# EAGLE board Mk4 Final Panel 8up 4x2 (EAGLE 9.0.1), part 18 of 23 (continued)
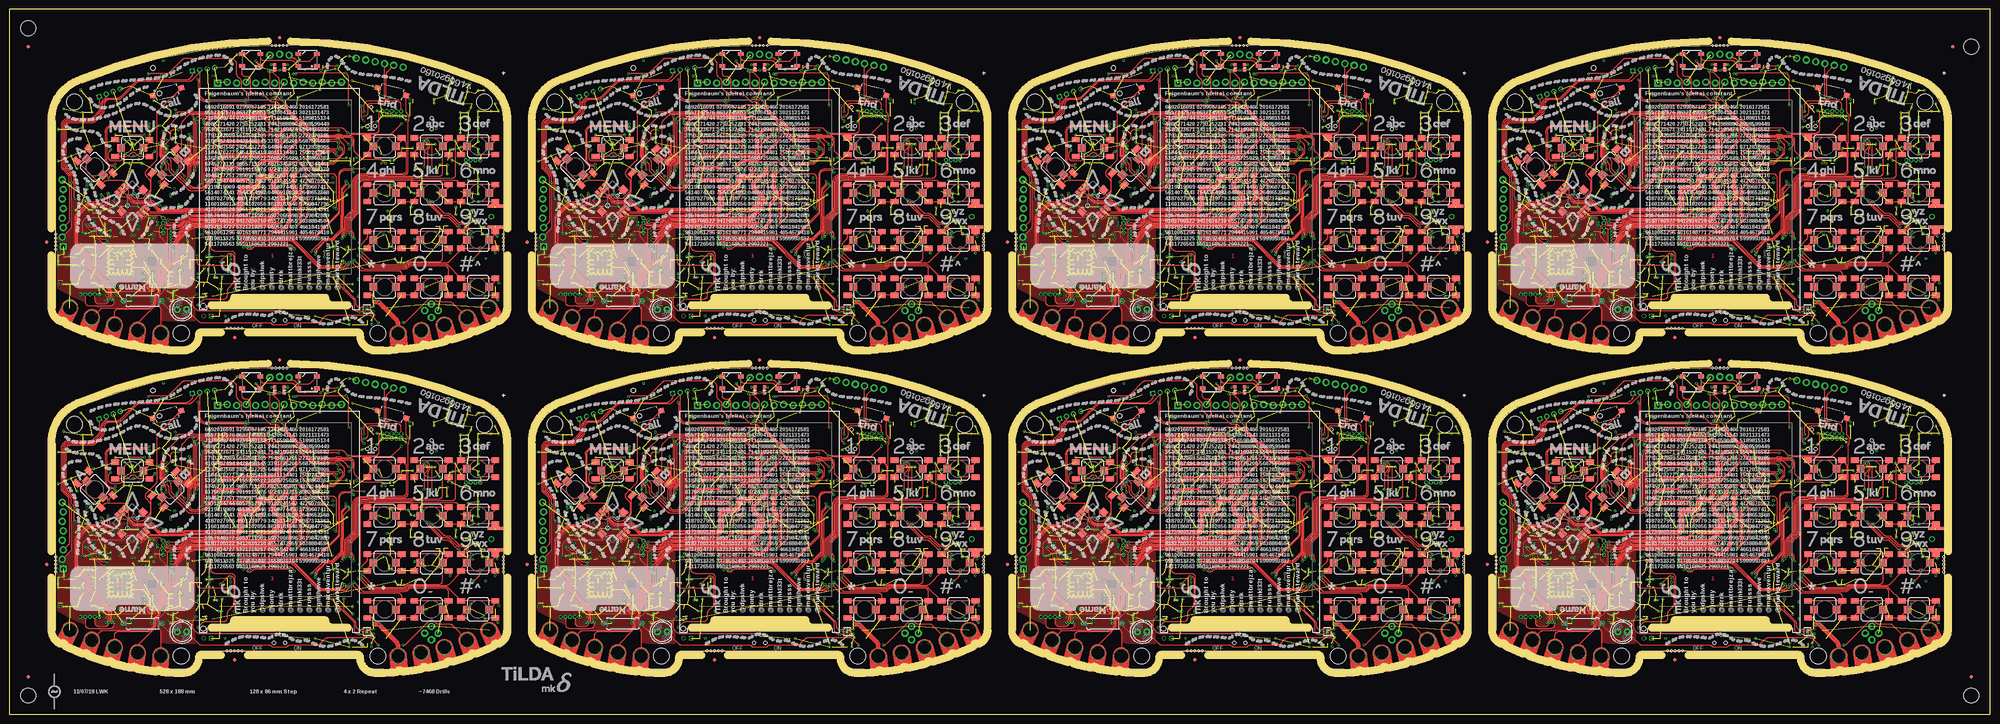
[diagram p0: board, top side]
## Tracks (layer width: path | path; a pad name or v marks a point on that pad's centre or on a via) (continued)
SIM_DTR
  Bottom 0.2: R31.1 100.25,53.25 TP2.TP
SIM_DTR1
  Bottom 0.2: R113.1 228.25,53.25 TP21.TP
SIM_DTR2
  Bottom 0.2: R191.1 100.25,139.25 TP40.TP
SIM_DTR3
  Bottom 0.2: R269.1 228.25,139.25 TP59.TP
SIM_DTR4
  Bottom 0.2: R347.1 356.25,53.25 TP78.TP
SIM_DTR5
  Bottom 0.2: R425.1 484.25,53.25 TP97.TP
SIM_DTR6
  Bottom 0.2: R503.1 356.25,139.25 TP116.TP
SIM_DTR7
  Bottom 0.2: R581.1 484.25,139.25 TP135.TP
SIM_DTR_R
  Bottom 0.15: R31.2 R40.1 102.7,52.45 IC5.6
SIM_DTR_R1
  Bottom 0.15: R113.2 R122.1 230.7,52.45 IC21.6
SIM_DTR_R2
  Bottom 0.15: R191.2 R200.1 102.7,138.45 IC39.6
SIM_DTR_R3
  Bottom 0.15: R269.2 R278.1 230.7,138.45 IC57.6
SIM_DTR_R4
  Bottom 0.15: R347.2 R356.1 358.7,52.45 IC75.6
SIM_DTR_R5
  Bottom 0.15: R425.2 R434.1 486.7,52.45 IC93.6
SIM_DTR_R6
  Bottom 0.15: R503.2 R512.1 358.7,138.45 IC111.6
SIM_DTR_R7
  Bottom 0.15: R581.2 R590.1 486.7,138.45 IC129.6
SIM_NETLIGHT
  Bottom 0.15: IC1.108 80.56,66.8 arc45 80.8,66.9 81.22,66.9 81.32,67 83.67,67 arc-90 86.17,64.5 86.17,62.62 arc45 86.32,62.27 86.48,62.11 arc-45 86.62,61.76 86.62,61.5 arc45 86.92,60.79 95.91,51.8 arc-45 96.2,51.09 96.2,43.75 arc90 97.2,42.75 TP12.TP 99,43.25 R42.1
SIM_NETLIGHT1
  Bottom 0.15: IC20.108 208.56,66.8 arc45 208.8,66.9 209.22,66.9 209.32,67 211.68,67 arc-90 214.18,64.5 214.18,62.62 arc45 214.32,62.27 214.48,62.11 arc-45 214.62,61.76 214.62,61.5 arc45 214.92,60.79 223.91,51.8 arc-45 224.2,51.09 224.2,43.75 arc90 225.2,42.75 TP31.TP 227,43.25 R124.1
SIM_NETLIGHT2
  Bottom 0.15: IC38.108 80.56,152.8 arc45 80.8,152.9 81.22,152.9 81.32,153 83.67,153 arc-90 86.17,150.5 86.17,148.62 arc45 86.32,148.27 86.48,148.11 arc-45 86.62,147.76 86.62,147.5 arc45 86.92,146.79 95.91,137.8 arc-45 96.2,137.09 96.2,129.75 arc90 97.2,128.75 TP50.TP 99,129.25 R202.1
SIM_NETLIGHT3
  Bottom 0.15: IC56.108 208.56,152.8 arc45 208.8,152.9 209.22,152.9 209.32,153 211.68,153 arc-90 214.18,150.5 214.18,148.62 arc45 214.32,148.27 214.48,148.11 arc-45 214.62,147.76 214.62,147.5 arc45 214.92,146.79 223.91,137.8 arc-45 224.2,137.09 224.2,129.75 arc90 225.2,128.75 TP69.TP 227,129.25 R280.1
SIM_NETLIGHT4
  Bottom 0.15: IC74.108 336.56,66.8 arc45 336.8,66.9 337.22,66.9 337.32,67 339.68,67 arc-90 342.18,64.5 342.18,62.62 arc45 342.32,62.27 342.48,62.11 arc-45 342.62,61.76 342.62,61.5 arc45 342.92,60.79 351.91,51.8 arc-45 352.2,51.09 352.2,43.75 arc90 353.2,42.75 TP88.TP 355,43.25 R358.1
SIM_NETLIGHT5
  Bottom 0.15: IC92.108 464.56,66.8 arc45 464.8,66.9 465.22,66.9 465.32,67 467.68,67 arc-90 470.18,64.5 470.18,62.62 arc45 470.32,62.27 470.48,62.11 arc-45 470.62,61.76 470.62,61.5 arc45 470.92,60.79 479.91,51.8 arc-45 480.2,51.09 480.2,43.75 arc90 481.2,42.75 TP107.TP 483,43.25 R436.1
SIM_NETLIGHT6
  Bottom 0.15: IC110.108 336.56,152.8 arc45 336.8,152.9 337.22,152.9 337.32,153 339.68,153 arc-90 342.18,150.5 342.18,148.62 arc45 342.32,148.27 342.48,148.11 arc-45 342.62,147.76 342.62,147.5 arc45 342.92,146.79 351.91,137.8 arc-45 352.2,137.09 352.2,129.75 arc90 353.2,128.75 TP126.TP 355,129.25 R514.1
SIM_NETLIGHT7
  Bottom 0.15: IC128.108 464.56,152.8 arc45 464.8,152.9 465.22,152.9 465.32,153 467.68,153 arc-90 470.18,150.5 470.18,148.62 arc45 470.32,148.27 470.48,148.11 arc-45 470.62,147.76 470.62,147.5 arc45 470.92,146.79 479.91,137.8 arc-45 480.2,137.09 480.2,129.75 arc90 481.2,128.75 TP145.TP 483,129.25 R592.1
SIM_PWR_KEY
  Bottom 0.15: Q1.1 101.42,41 R30.1 TP13.TP 96.9,41 arc-90 95.9,42 95.9,50.97 arc45 95.61,51.68 86.62,60.67 arc-45 86.33,61.38 86.33,61.63 arc45 86.18,61.99 86.02,62.15 arc-45 85.88,62.5 85.88,64.45 arc90 83.62,66.7 81.45,66.7 81.38,66.63 arc-45 81.31,66.6 81.04,66.6 arc45 80.97,66.57 80.83,66.43 arc-45 80.76,66.4 IC1.109
SIM_PWR_KEY1
  Bottom 0.15: Q6.1 229.43,41 R112.1 TP32.TP 224.9,41 arc-90 223.9,42 223.9,50.97 arc45 223.61,51.68 214.62,60.67 arc-45 214.32,61.38 214.32,61.63 arc45 214.18,61.99 214.02,62.15 arc-45 213.88,62.5 213.88,64.45 arc90 211.62,66.7 209.45,66.7 209.38,66.63 arc-45 209.31,66.6 209.04,66.6 arc45 208.97,66.57 208.83,66.43 arc-45 208.76,66.4 IC20.109
SIM_PWR_KEY2
  Bottom 0.15: Q11.1 101.42,127 R190.1 TP51.TP 96.9,127 arc-90 95.9,128 95.9,136.97 arc45 95.61,137.68 86.62,146.67 arc-45 86.33,147.38 86.33,147.63 arc45 86.18,147.99 86.02,148.15 arc-45 85.88,148.5 85.88,150.45 arc90 83.62,152.7 81.45,152.7 81.38,152.63 arc-45 81.31,152.6 81.04,152.6 arc45 80.97,152.57 80.83,152.43 arc-45 80.76,152.4 IC38.109
SIM_PWR_KEY3
  Bottom 0.15: Q15.1 229.43,127 R268.1 TP70.TP 224.9,127 arc-90 223.9,128 223.9,136.97 arc45 223.61,137.68 214.62,146.67 arc-45 214.32,147.38 214.32,147.63 arc45 214.18,147.99 214.02,148.15 arc-45 213.88,148.5 213.88,150.45 arc90 211.62,152.7 209.45,152.7 209.38,152.63 arc-45 209.31,152.6 209.04,152.6 arc45 208.97,152.57 208.83,152.43 arc-45 208.76,152.4 IC56.109
SIM_PWR_KEY4
  Bottom 0.15: Q19.1 357.43,41 R346.1 TP89.TP 352.9,41 arc-90 351.9,42 351.9,50.97 arc45 351.61,51.68 342.62,60.67 arc-45 342.32,61.38 342.32,61.63 arc45 342.18,61.99 342.02,62.15 arc-45 341.88,62.5 341.88,64.45 arc90 339.62,66.7 337.45,66.7 337.38,66.63 arc-45 337.31,66.6 337.04,66.6 arc45 336.97,66.57 336.83,66.43 arc-45 336.76,66.4 IC74.109
SIM_PWR_KEY5
  Bottom 0.15: Q23.1 485.43,41 R424.1 TP108.TP 480.9,41 arc-90 479.9,42 479.9,50.97 arc45 479.61,51.68 470.62,60.67 arc-45 470.32,61.38 470.32,61.63 arc45 470.18,61.99 470.02,62.15 arc-45 469.88,62.5 469.88,64.45 arc90 467.62,66.7 465.45,66.7 465.38,66.63 arc-45 465.31,66.6 465.04,66.6 arc45 464.97,66.57 464.83,66.43 arc-45 464.76,66.4 IC92.109
SIM_PWR_KEY6
  Bottom 0.15: Q27.1 357.43,127 R502.1 TP127.TP 352.9,127 arc-90 351.9,128 351.9,136.97 arc45 351.61,137.68 342.62,146.67 arc-45 342.32,147.38 342.32,147.63 arc45 342.18,147.99 342.02,148.15 arc-45 341.88,148.5 341.88,150.45 arc90 339.62,152.7 337.45,152.7 337.38,152.63 arc-45 337.31,152.6 337.04,152.6 arc45 336.97,152.57 336.83,152.43 arc-45 336.76,152.4 IC110.109
SIM_PWR_KEY7
  Bottom 0.15: Q31.1 485.43,127 R580.1 TP146.TP 480.9,127 arc-90 479.9,128 479.9,136.97 arc45 479.61,137.68 470.62,146.67 arc-45 470.32,147.38 470.32,147.63 arc45 470.18,147.99 470.02,148.15 arc-45 469.88,148.5 469.88,150.45 arc90 467.62,152.7 465.45,152.7 465.38,152.63 arc-45 465.31,152.6 465.04,152.6 arc45 464.97,152.57 464.83,152.43 arc-45 464.76,152.4 IC128.109
SIM_RI  (via drill 0.3)
  Top 0.15: v78.4,64.8 78.81,64.39 arc45 79.51,64.1 82.77,64.1 arc45 83.16,64.26 arc-45 84.22,64.7 87.86,64.7 arc-45 v88.1,64.6
  Bottom 0.15: 100.72,54.5 100.97,54.25 R32.1 101,54.25 TP10.TP 94.16,55.25 88.39,61.01 arc-45 88.1,61.72 v88.1,64.6 | IC1.112 79.21,65.2 arc45 78.51,64.91 v78.4,64.8
SIM_RI1  (via drill 0.3)
  Top 0.15: v206.4,64.8 206.81,64.39 arc45 207.51,64.1 210.77,64.1 arc45 211.16,64.26 arc-45 212.22,64.7 215.86,64.7 arc-45 v216.1,64.6
  Bottom 0.15: 228.72,54.5 228.97,54.25 R115.1 229,54.25 TP29.TP 222.16,55.25 216.39,61.01 arc-45 216.1,61.72 v216.1,64.6 | IC20.112 207.21,65.2 arc45 206.51,64.91 v206.4,64.8
SIM_RI2  (via drill 0.3)
  Top 0.15: v78.4,150.8 78.81,150.39 arc45 79.51,150.1 82.77,150.1 arc45 83.16,150.26 arc-45 84.22,150.7 87.86,150.7 arc-45 v88.1,150.6
  Bottom 0.15: 100.72,140.5 100.97,140.25 R193.1 101,140.25 TP48.TP 94.16,141.25 88.39,147.01 arc-45 88.1,147.72 v88.1,150.6 | IC38.112 79.21,151.2 arc45 78.51,150.91 v78.4,150.8
SIM_RI3  (via drill 0.3)
  Top 0.15: v206.4,150.8 206.81,150.39 arc45 207.51,150.1 210.77,150.1 arc45 211.16,150.26 arc-45 212.22,150.7 215.86,150.7 arc-45 v216.1,150.6
  Bottom 0.15: 228.72,140.5 228.97,140.25 R271.1 229,140.25 TP67.TP 222.16,141.25 216.39,147.01 arc-45 216.1,147.72 v216.1,150.6 | IC56.112 207.21,151.2 arc45 206.51,150.91 v206.4,150.8
SIM_RI4  (via drill 0.3)
  Top 0.15: v334.4,64.8 334.81,64.39 arc45 335.51,64.1 338.77,64.1 arc45 339.16,64.26 arc-45 340.22,64.7 343.86,64.7 arc-45 v344.1,64.6
  Bottom 0.15: 356.72,54.5 356.97,54.25 R349.1 357,54.25 TP86.TP 350.16,55.25 344.39,61.01 arc-45 344.1,61.72 v344.1,64.6 | IC74.112 335.21,65.2 arc45 334.51,64.91 v334.4,64.8
SIM_RI5  (via drill 0.3)
  Top 0.15: v462.4,64.8 462.81,64.39 arc45 463.51,64.1 466.77,64.1 arc45 467.16,64.26 arc-45 468.22,64.7 471.86,64.7 arc-45 v472.1,64.6
  Bottom 0.15: 484.72,54.5 484.97,54.25 R427.1 485,54.25 TP105.TP 478.16,55.25 472.39,61.01 arc-45 472.1,61.72 v472.1,64.6 | IC92.112 463.21,65.2 arc45 462.51,64.91 v462.4,64.8
SIM_RI6  (via drill 0.3)
  Top 0.15: v334.4,150.8 334.81,150.39 arc45 335.51,150.1 338.77,150.1 arc45 339.16,150.26 arc-45 340.22,150.7 343.86,150.7 arc-45 v344.1,150.6
  Bottom 0.15: 356.72,140.5 356.97,140.25 R505.1 357,140.25 TP124.TP 350.16,141.25 344.39,147.01 arc-45 344.1,147.72 v344.1,150.6 | IC110.112 335.21,151.2 arc45 334.51,150.91 v334.4,150.8
SIM_RI7  (via drill 0.3)
  Top 0.15: v462.4,150.8 462.81,150.39 arc45 463.51,150.1 466.77,150.1 arc45 467.16,150.26 arc-45 468.22,150.7 471.86,150.7 arc-45 v472.1,150.6
  Bottom 0.15: 484.72,140.5 484.97,140.25 R583.1 485,140.25 TP143.TP 478.16,141.25 472.39,147.01 arc-45 472.1,147.72 v472.1,150.6 | IC128.112 463.21,151.2 arc45 462.51,150.91 v462.4,150.8
SIM_RI_R
  Bottom 0.15: IC5.7 103.2,53.55 R32.2
SIM_RI_R1
  Bottom 0.15: IC21.7 231.2,53.55 R115.2
SIM_RI_R2
  Bottom 0.15: IC39.7 103.2,139.55 R193.2
SIM_RI_R3
  Bottom 0.15: IC57.7 231.2,139.55 R271.2
SIM_RI_R4
  Bottom 0.15: IC75.7 359.2,53.55 R349.2
SIM_RI_R5
  Bottom 0.15: IC93.7 487.2,53.55 R427.2
SIM_RI_R6
  Bottom 0.15: IC111.7 359.2,139.55 R505.2
SIM_RI_R7
  Bottom 0.15: IC129.7 487.2,139.55 R583.2
SIM_RST  (via drill 0.3)
  Top 0.2: v111.25,51.25 111.25,51.06 arc45 111.47,50.53 115.21,46.79 arc45 115.91,46.5 116.59,46.5 arc-45 117.29,46.21 119.22,44.28 arc45 v119.9,44 | v112.5,66 v112.5,60
  Bottom 0.2: J1.C2 128,32.98 127.98,33 125.41,33 arc-45 124.71,33.29 arc-45 124.5,33.79 124.5,35.59 arc45 124.21,36.29 124.04,36.46 arc-45 123.75,37.16 123.75,38.25 arc90 123.25,38.75 122.96,38.75 arc-45 122.6,38.9 120.11,41.39 arc-45 119.9,41.9 | v111.25,51.25 111.25,51.94 arc-45 111.47,52.47 111.53,52.53 arc45 111.75,53.06 111.75,58.84 arc-45 112.04,59.54 v112.5,60 | R28.2 v112.5,66 | 119.9,41.9 v119.9,44 | IC10.4 119.9,41.9
SIM_RST1  (via drill 0.3)
  Top 0.2: v239.25,51.25 239.25,51.06 arc45 239.47,50.53 243.21,46.79 arc45 243.91,46.5 244.59,46.5 arc-45 245.29,46.21 247.22,44.28 arc45 v247.9,44 | v240.5,66 v240.5,60
  Bottom 0.2: J14.C2 256,32.98 255.98,33 253.41,33 arc-45 252.71,33.29 arc-45 252.5,33.79 252.5,35.59 arc45 252.21,36.29 252.04,36.46 arc-45 251.75,37.16 251.75,38.25 arc90 251.25,38.75 250.96,38.75 arc-45 250.6,38.9 248.11,41.39 arc-45 247.9,41.9 | v239.25,51.25 239.25,51.94 arc-45 239.47,52.47 239.53,52.53 arc45 239.75,53.06 239.75,58.84 arc-45 240.04,59.54 v240.5,60 | R110.2 v240.5,66 | 247.9,41.9 v247.9,44 | IC25.4 247.9,41.9
SIM_RST2  (via drill 0.3)
  Top 0.2: v111.25,137.25 111.25,137.06 arc45 111.47,136.53 115.21,132.79 arc45 115.91,132.5 116.59,132.5 arc-45 117.29,132.21 119.22,130.28 arc45 v119.9,130 | v112.5,152 v112.5,146
  Bottom 0.2: J24.C2 128,118.98 127.98,119 125.41,119 arc-45 124.71,119.29 arc-45 124.5,119.79 124.5,121.59 arc45 124.21,122.29 124.04,122.46 arc-45 123.75,123.16 123.75,124.25 arc90 123.25,124.75 122.96,124.75 arc-45 122.6,124.9 120.11,127.39 arc-45 119.9,127.9 | v111.25,137.25 111.25,137.94 arc-45 111.47,138.47 111.53,138.53 arc45 111.75,139.06 111.75,144.84 arc-45 112.04,145.54 v112.5,146 | R188.2 v112.5,152 | 119.9,127.9 v119.9,130 | IC43.4 119.9,127.9
SIM_RST3  (via drill 0.3)
  Top 0.2: v239.25,137.25 239.25,137.06 arc45 239.47,136.53 243.21,132.79 arc45 243.91,132.5 244.59,132.5 arc-45 245.29,132.21 247.22,130.28 arc45 v247.9,130 | v240.5,152 v240.5,146
  Bottom 0.2: J34.C2 256,118.98 255.98,119 253.41,119 arc-45 252.71,119.29 arc-45 252.5,119.79 252.5,121.59 arc45 252.21,122.29 252.04,122.46 arc-45 251.75,123.16 251.75,124.25 arc90 251.25,124.75 250.96,124.75 arc-45 250.6,124.9 248.11,127.39 arc-45 247.9,127.9 | v239.25,137.25 239.25,137.94 arc-45 239.47,138.47 239.53,138.53 arc45 239.75,139.06 239.75,144.84 arc-45 240.04,145.54 v240.5,146 | R266.2 v240.5,152 | 247.9,127.9 v247.9,130 | IC61.4 247.9,127.9
SIM_RST4  (via drill 0.3)
  Top 0.2: v367.25,51.25 367.25,51.06 arc45 367.47,50.53 371.21,46.79 arc45 371.91,46.5 372.59,46.5 arc-45 373.29,46.21 375.22,44.28 arc45 v375.9,44 | v368.5,66 v368.5,60
  Bottom 0.2: J44.C2 384,32.98 383.98,33 381.41,33 arc-45 380.71,33.29 arc-45 380.5,33.79 380.5,35.59 arc45 380.21,36.29 380.04,36.46 arc-45 379.75,37.16 379.75,38.25 arc90 379.25,38.75 378.96,38.75 arc-45 378.6,38.9 376.11,41.39 arc-45 375.9,41.9 | v367.25,51.25 367.25,51.94 arc-45 367.47,52.47 367.53,52.53 arc45 367.75,53.06 367.75,58.84 arc-45 368.04,59.54 v368.5,60 | R344.2 v368.5,66 | 375.9,41.9 v375.9,44 | IC79.4 375.9,41.9
SIM_RST5  (via drill 0.3)
  Top 0.2: v495.25,51.25 495.25,51.06 arc45 495.47,50.53 499.21,46.79 arc45 499.91,46.5 500.59,46.5 arc-45 501.29,46.21 503.22,44.28 arc45 v503.9,44 | v496.5,66 v496.5,60
  Bottom 0.2: J54.C2 512,32.98 511.98,33 509.41,33 arc-45 508.71,33.29 arc-45 508.5,33.79 508.5,35.59 arc45 508.21,36.29 508.04,36.46 arc-45 507.75,37.16 507.75,38.25 arc90 507.25,38.75 506.96,38.75 arc-45 506.6,38.9 504.11,41.39 arc-45 503.9,41.9 | v495.25,51.25 495.25,51.94 arc-45 495.47,52.47 495.53,52.53 arc45 495.75,53.06 495.75,58.84 arc-45 496.04,59.54 v496.5,60 | R422.2 v496.5,66 | 503.9,41.9 v503.9,44 | IC97.4 503.9,41.9
SIM_RST6  (via drill 0.3)
  Top 0.2: v367.25,137.25 367.25,137.06 arc45 367.47,136.53 371.21,132.79 arc45 371.91,132.5 372.59,132.5 arc-45 373.29,132.21 375.22,130.28 arc45 v375.9,130 | v368.5,152 v368.5,146
  Bottom 0.2: J64.C2 384,118.98 383.98,119 381.41,119 arc-45 380.71,119.29 arc-45 380.5,119.79 380.5,121.59 arc45 380.21,122.29 380.04,122.46 arc-45 379.75,123.16 379.75,124.25 arc90 379.25,124.75 378.96,124.75 arc-45 378.6,124.9 376.11,127.39 arc-45 375.9,127.9 | v367.25,137.25 367.25,137.94 arc-45 367.47,138.47 367.53,138.53 arc45 367.75,139.06 367.75,144.84 arc-45 368.04,145.54 v368.5,146 | R500.2 v368.5,152 | 375.9,127.9 v375.9,130 | IC115.4 375.9,127.9
SIM_RST7  (via drill 0.3)
  Top 0.2: v495.25,137.25 495.25,137.06 arc45 495.47,136.53 499.21,132.79 arc45 499.91,132.5 500.59,132.5 arc-45 501.29,132.21 503.22,130.28 arc45 v503.9,130 | v496.5,152 v496.5,146
  Bottom 0.2: J74.C2 512,118.98 511.98,119 509.41,119 arc-45 508.71,119.29 arc-45 508.5,119.79 508.5,121.59 arc45 508.21,122.29 508.04,122.46 arc-45 507.75,123.16 507.75,124.25 arc90 507.25,124.75 506.96,124.75 arc-45 506.6,124.9 504.11,127.39 arc-45 503.9,127.9 | v495.25,137.25 495.25,137.94 arc-45 495.47,138.47 495.53,138.53 arc45 495.75,139.06 495.75,144.84 arc-45 496.04,145.54 v496.5,146 | R578.2 v496.5,152 | 503.9,127.9 v503.9,130 | IC133.4 503.9,127.9
SIM_RST_R
  Bottom 0.2: IC5.17 R28.1 C48.2
SIM_RST_R1
  Bottom 0.2: IC21.17 R110.1 C155.2
SIM_RST_R2
  Bottom 0.2: IC39.17 R188.1 C263.2
SIM_RST_R3
  Bottom 0.2: IC57.17 R266.1 C371.2
SIM_RST_R4
  Bottom 0.2: IC75.17 R344.1 C479.2
SIM_RST_R5
  Bottom 0.2: IC93.17 R422.1 C587.2
SIM_RST_R6
  Bottom 0.2: IC111.17 R500.1 C695.2
SIM_RST_R7
  Bottom 0.2: IC129.17 R578.1 C803.2
SIM_RTS
  Bottom 0.2: TP5.TP R35.1
SIM_RTS1
  Bottom 0.2: TP24.TP R118.1
SIM_RTS2
  Bottom 0.2: TP43.TP R196.1
SIM_RTS3
  Bottom 0.2: TP62.TP R274.1
SIM_RTS4
  Bottom 0.2: TP81.TP R352.1
SIM_RTS5
  Bottom 0.2: TP100.TP R430.1
SIM_RTS6
  Bottom 0.2: TP119.TP R508.1
SIM_RTS7
  Bottom 0.2: TP138.TP R586.1
SIM_RTS_R
  Bottom 0.15: IC5.3 104.55,49.25 R35.2 R39.1
SIM_RTS_R1
  Bottom 0.15: IC21.3 232.55,49.25 R118.2 R121.1
SIM_RTS_R2
  Bottom 0.15: IC39.3 104.55,135.25 R196.2 R199.1
SIM_RTS_R3
  Bottom 0.15: IC57.3 232.55,135.25 R274.2 R277.1
SIM_RTS_R4
  Bottom 0.15: IC75.3 360.55,49.25 R352.2 R355.1
SIM_RTS_R5
  Bottom 0.15: IC93.3 488.55,49.25 R430.2 R433.1
SIM_RTS_R6
  Bottom 0.15: IC111.3 360.55,135.25 R508.2 R511.1
SIM_RTS_R7
  Bottom 0.15: IC129.3 488.55,135.25 R586.2 R589.1
SIM_RXD_R
  Bottom 0.15: IC5.2 103.71,48.05 arc45 103.01,47.76 R37.2 R38.1
SIM_RXD_R1
  Bottom 0.15: IC21.2 231.71,48.05 arc45 231.01,47.76 R120.2 R114.1
SIM_RXD_R2
  Bottom 0.15: IC39.2 103.71,134.05 arc45 103.01,133.76 R198.2 R192.1
SIM_RXD_R3
  Bottom 0.15: IC57.2 231.71,134.05 arc45 231.01,133.76 R276.2 R270.1
SIM_RXD_R4
  Bottom 0.15: IC75.2 359.71,48.05 arc45 359.01,47.76 R354.2 R348.1
SIM_RXD_R5
  Bottom 0.15: IC93.2 487.71,48.05 arc45 487.01,47.76 R432.2 R426.1
SIM_RXD_R6
  Bottom 0.15: IC111.2 359.71,134.05 arc45 359.01,133.76 R510.2 R504.1
SIM_RXD_R7
  Bottom 0.15: IC129.2 487.71,134.05 arc45 487.01,133.76 R588.2 R582.1
SIM_STATUS
  Bottom 0.15: R41.1 98.25,44.25 TP11.TP 96.79,45.71 arc-45 96.5,46.41 96.5,51.22 arc45 96.21,51.93 87.22,60.92 arc-45 86.92,61.62 86.92,61.88 arc45 86.78,62.24 86.62,62.39 arc-45 86.47,62.75 86.47,64.55 arc90 83.72,67.3 81.2,67.3 81.1,67.2 IC1.107
SIM_STATUS1
  Bottom 0.15: R123.1 226.25,44.25 TP30.TP 224.79,45.71 arc-45 224.5,46.41 224.5,51.22 arc45 224.21,51.93 215.22,60.92 arc-45 214.93,61.62 214.93,61.88 arc45 214.78,62.24 214.62,62.39 arc-45 214.47,62.75 214.47,64.55 arc90 211.72,67.3 209.2,67.3 209.1,67.2 IC20.107
SIM_STATUS2
  Bottom 0.15: R201.1 98.25,130.25 TP49.TP 96.79,131.71 arc-45 96.5,132.41 96.5,137.22 arc45 96.21,137.93 87.22,146.92 arc-45 86.92,147.62 86.92,147.88 arc45 86.78,148.24 86.62,148.39 arc-45 86.47,148.75 86.47,150.55 arc90 83.72,153.3 81.2,153.3 81.1,153.2 IC38.107
SIM_STATUS3
  Bottom 0.15: R279.1 226.25,130.25 TP68.TP 224.79,131.71 arc-45 224.5,132.41 224.5,137.22 arc45 224.21,137.93 215.22,146.92 arc-45 214.93,147.62 214.93,147.88 arc45 214.78,148.24 214.62,148.39 arc-45 214.47,148.75 214.47,150.55 arc90 211.72,153.3 209.2,153.3 209.1,153.2 IC56.107
SIM_STATUS4
  Bottom 0.15: R357.1 354.25,44.25 TP87.TP 352.79,45.71 arc-45 352.5,46.41 352.5,51.22 arc45 352.21,51.93 343.22,60.92 arc-45 342.93,61.62 342.93,61.88 arc45 342.78,62.24 342.62,62.39 arc-45 342.48,62.75 342.48,64.55 arc90 339.73,67.3 337.2,67.3 337.1,67.2 IC74.107
SIM_STATUS5
  Bottom 0.15: R435.1 482.25,44.25 TP106.TP 480.79,45.71 arc-45 480.5,46.41 480.5,51.22 arc45 480.21,51.93 471.22,60.92 arc-45 470.93,61.62 470.93,61.88 arc45 470.78,62.24 470.62,62.39 arc-45 470.48,62.75 470.48,64.55 arc90 467.73,67.3 465.2,67.3 465.1,67.2 IC92.107
SIM_STATUS6
  Bottom 0.15: R513.1 354.25,130.25 TP125.TP 352.79,131.71 arc-45 352.5,132.41 352.5,137.22 arc45 352.21,137.93 343.22,146.92 arc-45 342.93,147.62 342.93,147.88 arc45 342.78,148.24 342.62,148.39 arc-45 342.48,148.75 342.48,150.55 arc90 339.73,153.3 337.2,153.3 337.1,153.2 IC110.107
SIM_STATUS7
  Bottom 0.15: R591.1 482.25,130.25 TP144.TP 480.79,131.71 arc-45 480.5,132.41 480.5,137.22 arc45 480.21,137.93 471.22,146.92 arc-45 470.93,147.62 470.93,147.88 arc45 470.78,148.24 470.62,148.39 arc-45 470.48,148.75 470.48,150.55 arc90 467.73,153.3 465.2,153.3 465.1,153.2 IC128.107
SIM_STATUS_R
  Bottom 0.15: R41.2 108.05,44.25 IC5.42
SIM_STATUS_R1
  Bottom 0.15: R123.2 236.05,44.25 IC21.42
SIM_STATUS_R2
  Bottom 0.15: R201.2 108.05,130.25 IC39.42
SIM_STATUS_R3
  Bottom 0.15: R279.2 236.05,130.25 IC57.42
SIM_STATUS_R4
  Bottom 0.15: R357.2 364.05,44.25 IC75.42
SIM_STATUS_R5
  Bottom 0.15: R435.2 492.05,44.25 IC93.42
SIM_STATUS_R6
  Bottom 0.15: R513.2 364.05,130.25 IC111.42
SIM_STATUS_R7
  Bottom 0.15: R591.2 492.05,130.25 IC129.42
SIM_TXD_R
  Bottom 0.15: IC5.1 104.2,46.95 arc90 103.25,46 arc-90 R36.2
SIM_TXD_R1
  Bottom 0.15: IC21.1 232.2,46.95 arc90 231.25,46 arc-90 R119.2
SIM_TXD_R2
  Bottom 0.15: IC39.1 104.2,132.95 arc90 103.25,132 arc-90 R197.2
SIM_TXD_R3
  Bottom 0.15: IC57.1 232.2,132.95 arc90 231.25,132 arc-90 R275.2
SIM_TXD_R4
  Bottom 0.15: IC75.1 360.2,46.95 arc90 359.25,46 arc-90 R353.2
SIM_TXD_R5
  Bottom 0.15: IC93.1 488.2,46.95 arc90 487.25,46 arc-90 R431.2
SIM_TXD_R6
  Bottom 0.15: IC111.1 360.2,132.95 arc90 359.25,132 arc-90 R509.2
SIM_TXD_R7
  Bottom 0.15: IC129.1 488.2,132.95 arc90 487.25,132 arc-90 R587.2
SIM_VBUS
  Bottom 0.25: IC5.24 121.35,56.85 arc90 122,57.5 122,61.49 JP9.4
SIM_VBUS1
  Bottom 0.25: IC21.24 249.35,56.85 arc90 250,57.5 250,61.49 JP14.4
SIM_VBUS2
  Bottom 0.25: IC39.24 121.35,142.85 arc90 122,143.5 122,147.49 JP23.4
SIM_VBUS3
  Bottom 0.25: IC57.24 249.35,142.85 arc90 250,143.5 250,147.49 JP32.4
SIM_VBUS4
  Bottom 0.25: IC75.24 377.35,56.85 arc90 378,57.5 378,61.49 JP41.4
SIM_VBUS5
  Bottom 0.25: IC93.24 505.35,56.85 arc90 506,57.5 506,61.49 JP50.4
SIM_VBUS6
  Bottom 0.25: IC111.24 377.35,142.85 arc90 378,143.5 378,147.49 JP59.4
SIM_VBUS7
  Bottom 0.25: IC129.24 505.35,142.85 arc90 506,143.5 506,147.49 JP68.4
SIM_VDD
  Bottom 0.3: C51.2 arc-45 127.5,26.85 127.5,28.84 arc-45 127.79,29.54 128.4,30.15 arc-45 129.1,30.44 J1.C1 130.11,31.2 arc-45 130.4,31.9 130.46,31.96 arc45 130.75,32.66 130.75,33.25 arc90 129.75,34.25 126,34.25 arc-90 125,35.25 125,36.09 arc45 124.71,36.79 124.54,36.96 arc-45 124.25,37.66 124.25,38.75 arc90 123.25,39.75 122.91,39.75 arc-45 122.21,40.04 121.54,40.71 arc-45 121.25,41.41 121.25,42.5 120.85,42.9 IC10.5 120.58,44.59 arc45 120.28,45.29 119.37,46.21 arc45 118.66,46.5 115.91,46.5 arc-45 115.21,46.79 113.79,48.21 arc-45 113.5,48.91 113.5,50.94 arc45 113.28,51.47 112.47,52.28 arc-45 112.25,52.81 112.25,58.34 arc-45 112.54,59.04 113.31,59.81 arc45 113.6,60.51 IC5.18
SIM_VDD1
  Bottom 0.3: C158.2 arc-45 255.5,26.85 255.5,28.84 arc-45 255.79,29.54 256.4,30.15 arc-45 257.1,30.44 J14.C1 258.11,31.2 arc-45 258.4,31.9 258.46,31.96 arc45 258.75,32.66 258.75,33.25 arc90 257.75,34.25 254,34.25 arc-90 253,35.25 253,36.09 arc45 252.71,36.79 252.54,36.96 arc-45 252.25,37.66 252.25,38.75 arc90 251.25,39.75 250.91,39.75 arc-45 250.21,40.04 249.54,40.71 arc-45 249.25,41.41 249.25,42.5 248.85,42.9 IC25.5 248.57,44.59 arc45 248.28,45.29 247.37,46.21 arc45 246.66,46.5 243.91,46.5 arc-45 243.21,46.79 241.79,48.21 arc-45 241.5,48.91 241.5,50.94 arc45 241.28,51.47 240.47,52.28 arc-45 240.25,52.81 240.25,58.34 arc-45 240.54,59.04 241.31,59.81 arc45 241.6,60.51 IC21.18
SIM_VDD2
  Bottom 0.3: C266.2 arc-45 127.5,112.85 127.5,114.84 arc-45 127.79,115.54 128.4,116.15 arc-45 129.1,116.44 J24.C1 130.11,117.2 arc-45 130.4,117.9 130.46,117.96 arc45 130.75,118.66 130.75,119.25 arc90 129.75,120.25 126,120.25 arc-90 125,121.25 125,122.09 arc45 124.71,122.79 124.54,122.96 arc-45 124.25,123.66 124.25,124.75 arc90 123.25,125.75 122.91,125.75 arc-45 122.21,126.04 121.54,126.71 arc-45 121.25,127.41 121.25,128.5 120.85,128.9 IC43.5 120.58,130.59 arc45 120.28,131.29 119.37,132.21 arc45 118.66,132.5 115.91,132.5 arc-45 115.21,132.79 113.79,134.21 arc-45 113.5,134.91 113.5,136.94 arc45 113.28,137.47 112.47,138.28 arc-45 112.25,138.81 112.25,144.34 arc-45 112.54,145.04 113.31,145.81 arc45 113.6,146.51 IC39.18
SIM_VDD3
  Bottom 0.3: C374.2 arc-45 255.5,112.85 255.5,114.84 arc-45 255.79,115.54 256.4,116.15 arc-45 257.1,116.44 J34.C1 258.11,117.2 arc-45 258.4,117.9 258.46,117.96 arc45 258.75,118.66 258.75,119.25 arc90 257.75,120.25 254,120.25 arc-90 253,121.25 253,122.09 arc45 252.71,122.79 252.54,122.96 arc-45 252.25,123.66 252.25,124.75 arc90 251.25,125.75 250.91,125.75 arc-45 250.21,126.04 249.54,126.71 arc-45 249.25,127.41 249.25,128.5 248.85,128.9 IC61.5 248.57,130.59 arc45 248.28,131.29 247.37,132.21 arc45 246.66,132.5 243.91,132.5 arc-45 243.21,132.79 241.79,134.21 arc-45 241.5,134.91 241.5,136.94 arc45 241.28,137.47 240.47,138.28 arc-45 240.25,138.81 240.25,144.34 arc-45 240.54,145.04 241.31,145.81 arc45 241.6,146.51 IC57.18
SIM_VDD4
  Bottom 0.3: C482.2 arc-45 383.5,26.85 383.5,28.84 arc-45 383.79,29.54 384.4,30.15 arc-45 385.1,30.44 J44.C1 386.11,31.2 arc-45 386.4,31.9 386.46,31.96 arc45 386.75,32.66 386.75,33.25 arc90 385.75,34.25 382,34.25 arc-90 381,35.25 381,36.09 arc45 380.71,36.79 380.54,36.96 arc-45 380.25,37.66 380.25,38.75 arc90 379.25,39.75 378.91,39.75 arc-45 378.21,40.04 377.54,40.71 arc-45 377.25,41.41 377.25,42.5 376.85,42.9 IC79.5 376.57,44.59 arc45 376.28,45.29 375.37,46.21 arc45 374.66,46.5 371.91,46.5 arc-45 371.21,46.79 369.79,48.21 arc-45 369.5,48.91 369.5,50.94 arc45 369.28,51.47 368.47,52.28 arc-45 368.25,52.81 368.25,58.34 arc-45 368.54,59.04 369.31,59.81 arc45 369.6,60.51 IC75.18
SIM_VDD5
  Bottom 0.3: C590.2 arc-45 511.5,26.85 511.5,28.84 arc-45 511.79,29.54 512.4,30.15 arc-45 513.1,30.44 J54.C1 514.11,31.2 arc-45 514.4,31.9 514.46,31.96 arc45 514.75,32.66 514.75,33.25 arc90 513.75,34.25 510,34.25 arc-90 509,35.25 509,36.09 arc45 508.71,36.79 508.54,36.96 arc-45 508.25,37.66 508.25,38.75 arc90 507.25,39.75 506.91,39.75 arc-45 506.21,40.04 505.54,40.71 arc-45 505.25,41.41 505.25,42.5 504.85,42.9 IC97.5 504.57,44.59 arc45 504.28,45.29 503.37,46.21 arc45 502.66,46.5 499.91,46.5 arc-45 499.21,46.79 497.79,48.21 arc-45 497.5,48.91 497.5,50.94 arc45 497.28,51.47 496.47,52.28 arc-45 496.25,52.81 496.25,58.34 arc-45 496.54,59.04 497.31,59.81 arc45 497.6,60.51 IC93.18
SIM_VDD6